# Altium PCB SPEC-A7.PcbDoc (part 7 of 10) (continued)
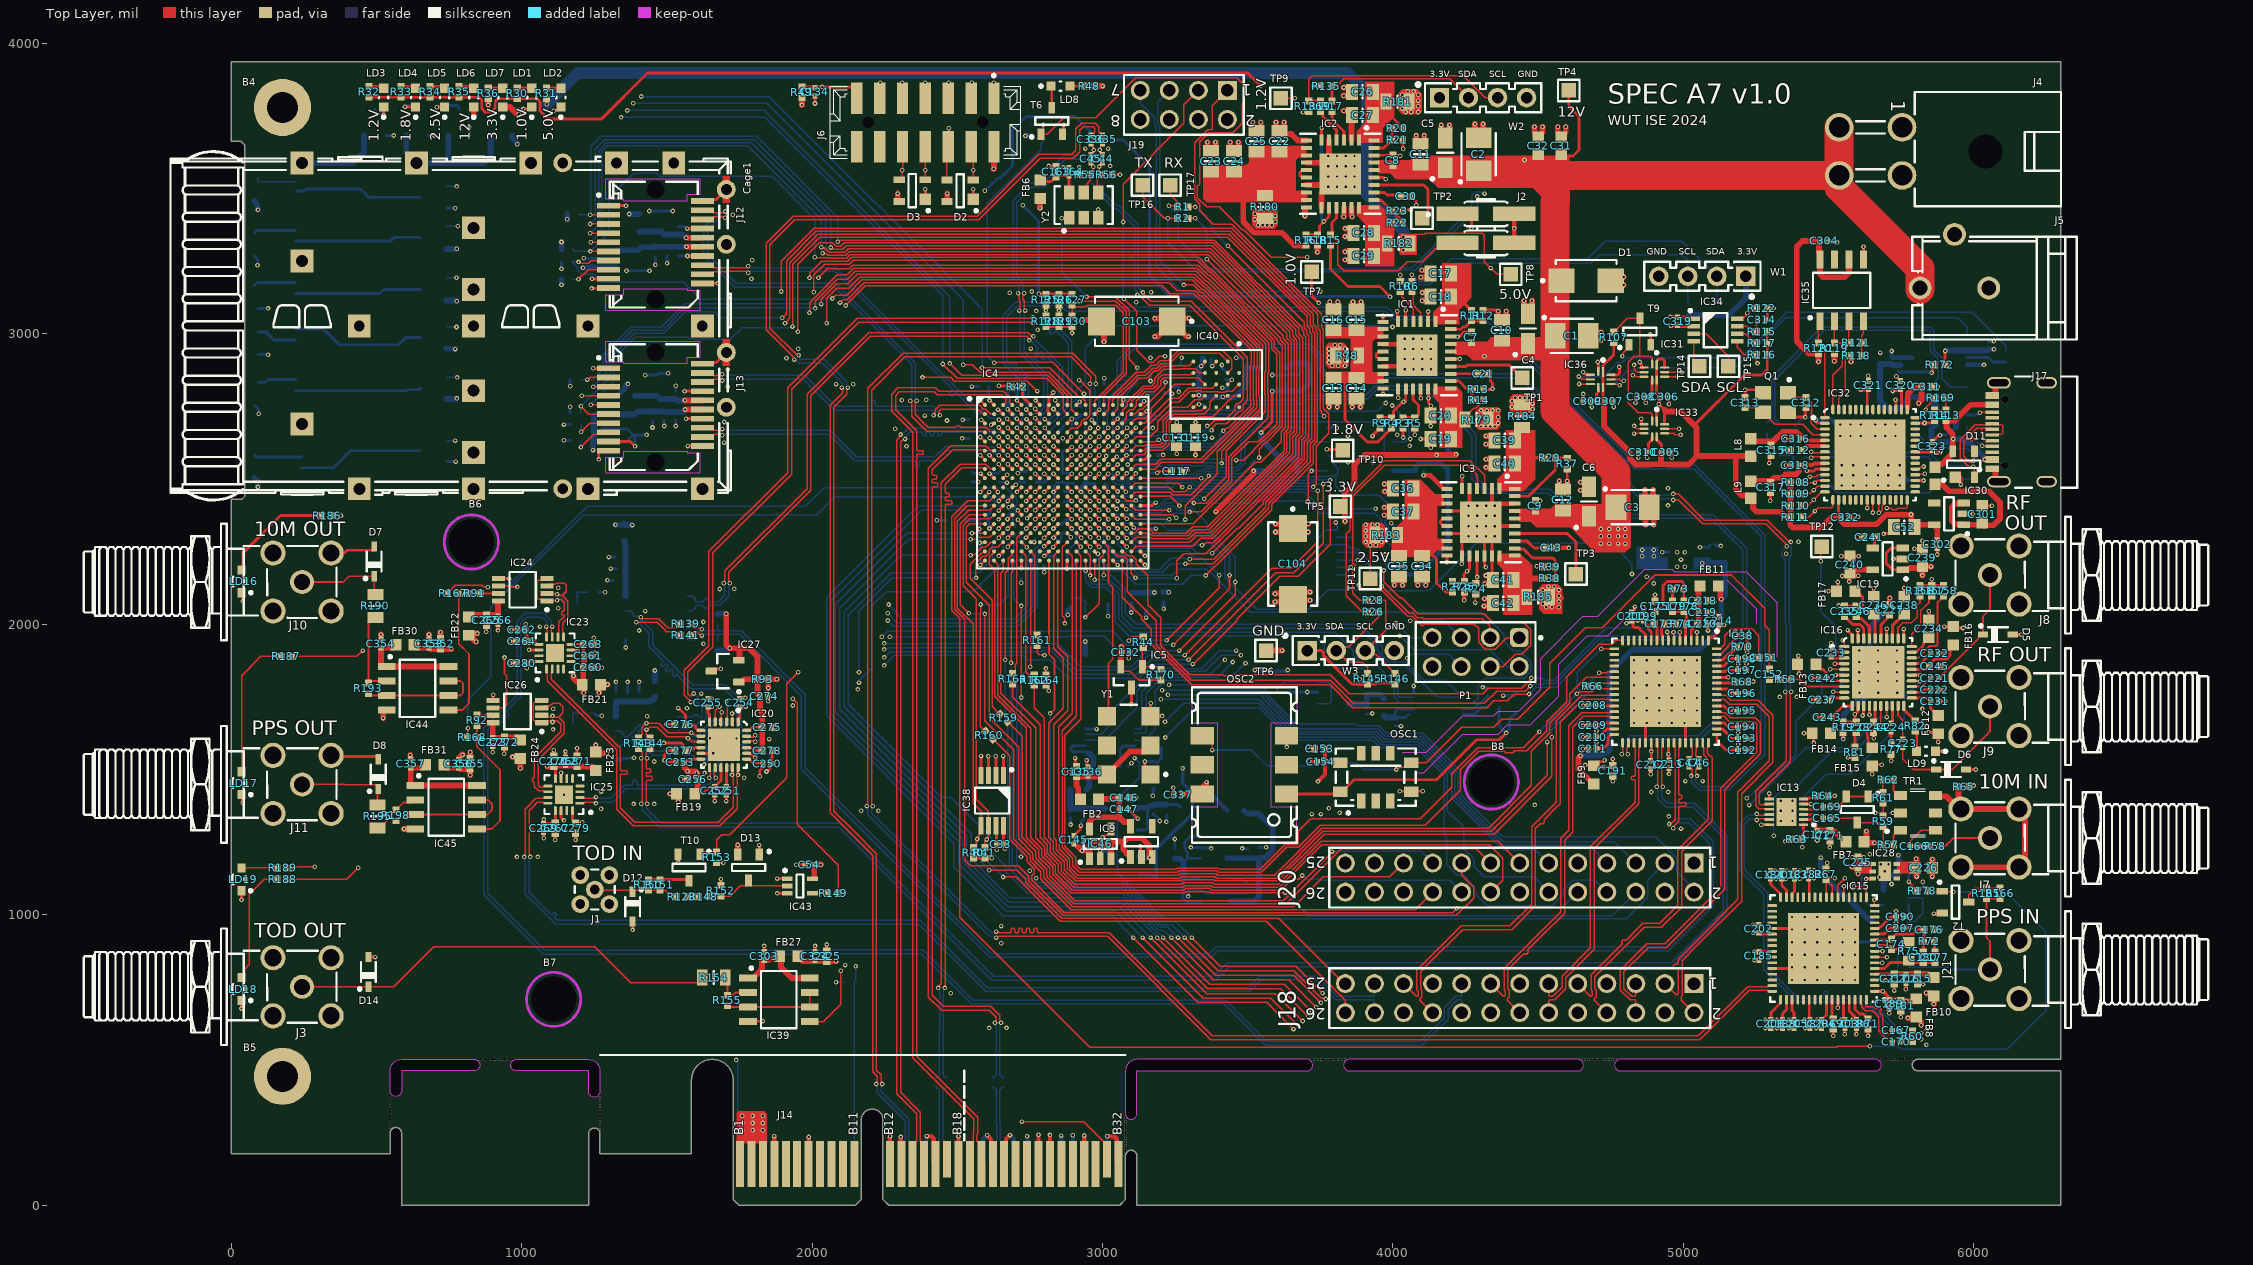
[diagram p0: Top Layer view]
## Nets (pads, with @x,y where several pads share a name; then routed paths per layer and width w, separated by ;. In a path a pad name is that pad's centre, name@x,y a point inside that pad or via, vN(x,y) a via of type N, cw(c..) or ccw(c..) an arc to the next point about the centre after c; other vN are vias at no path point) (continued)
  Bottom Layer w5: v1(5472.44,2216.54) 5472.44,2043.31 5523.95,1991.8 5523.95,1928.81 5547.24,1905.51 5547.24,1799.21 v1(5515.75,1767.72)
NetIC16_20: IC16.20 R82.2 | length 70.6
  Top Layer w10: IC16.20@5758.58,1718.86 5758.58,1707.05 R82.2@5800.18,1665.45
NetIC16_28: IC16.28 R158.1 | length 285.7
  Top Layer w6: IC16.28@5786.14,1884.21 5786.28,1884.35 5809.35,1884.35 5819.72,1894.72 5819.72,1895.28 5828.89,1904.45 5828.89,1907.69 5846.21,1925 5871.49,1925 5875,1928.51 5875,2076.5 R158.1@5895,2096.5
NetIC16_30: IC16.30 R157.1 | length 201.9
  Top Layer w6: IC16.30@5786.14,1923.58 5786.14,1966.14 5817.31,1997.31 5817.31,2047.31 5845.8,2075.8 5845.8,2088.08 5854.21,2096.5 R157.1@5855,2096.5
NetIC16_32: IC16.32 R156.1 | length 194.3
  Top Layer w6: IC16.32@5738.9,1951.14 5738.9,1988.9 5755,2005 5785,2005 5805,2025 5805,2065.56 5814.44,2075 5814.44,2096.27 R156.1@5814.21,2096.5
NetIC24_7: IC24.7 R91.1 | length 61.6
  Top Layer w6: R91.1@858.46,2105.39 859.17,2106.1 IC24.7@919.8,2106.1
NetIC26_7: IC26.7 R92.1 | length 58.1
  Top Layer w6: R92.1@845.59,1691.06 849.88,1686.77 IC26.7@901.93,1686.77
NetIC29_1: IC29.1 R173.2 | length 403.1
  Bottom Layer w5: R173.2@5616.93,3055.12 5944.88,3055.12 5976.38,3023.62 IC29.1@5976.38,2993.01
NetIC29_4: IC29.4 R171.1 | length 140.2
  Bottom Layer w10: IC29.4@5976.38,2918.01 6050.49,2918.01 6065.75,2902.76 R171.1@6110.24,2902.76
NetIC29_8: IC29.8 R175.2 | length 1070.7
  Bottom Layer w5: R175.2@5287.4,2695.67 5288.19,2695.67 5297.11,2704.59 5297.11,2705.37 5303.15,2711.42 5303.15,2850.39 5474.57,3021.81 5851.61,3021.81 5862.2,3011.21 5862.2,2944.88 5889.76,2917.32 5889.76,2846.46 5918.21,2818.01 IC29.8@5976.38,2818.01
NetIC29_9: IC29.9 R200.2 | length 1036.3
  Bottom Layer w5: R200.2@5326.77,2694.49 5325.98,2694.49 5317.07,2703.41 5317.07,2704.19 5314.96,2706.3 5314.96,2842.52 5484.25,3011.81 5847.46,3011.81 5850.39,3008.88 5850.39,2942.55 5877.95,2914.99 5877.95,2846.46 5849.51,2818.01 IC29.9@5787.4,2818.01
NetIC29_11: IC29.11 R172.2 | length 148.5
  Top Layer w10: v3(5854.33,2866.14) 5854.33,2867.7 5856.97,2870.33 5856.97,2887.28 R172.2@5863.39,2893.7
  Bottom Layer w10: 5739.69,2872.2 5743.19,2868.7 5786.72,2868.7 IC29.11@5787.4,2868.01 5850.91,2868.01 5852.78,2866.14 v3(5854.33,2866.14)
NetIC31_2: IC31.2 IC33.2 R107.1 T9.3 | length 613.7
  Top Layer w5: R107.1@4760,3006.48 4760.79,3006.48 4769.7,3015.4 4769.7,3016.19 4806.77,3053.25 T9.3@4850,3053.25 4850,2922.98 ; IC33.2@4892.13,2700.54 4892.13,2720.85 4885,2727.98 4845,2727.98 4810,2762.98 4810,2902.98 4830,2922.98 4850,2922.98 ; IC31.2@4892.13,2895.54 4892.13,2915.85 4885,2922.98 4850,2922.98
NetIC32_1: IC32.1 IC35.1 R120.1 | length 340.2
  Top Layer w5: R120.1@5464.8,2968.21 5464.8,2980.08 ; IC35.1@5469.8,3024.6 5464.8,3019.6 5464.8,2980.08 ; IC32.1@5487.06,2711.65 5487.06,2957.82 5481.58,2963.3 5474.51,2963.3 5471.13,2966.68 5471.13,2973.75 5464.8,2980.08
NetIC32_6: IC32.6 R112.2 | length 88.6
  Top Layer w14: R112.2@5405.57,2598.54 5405.57,2599.33 5409.98,2603.75 5414.77,2603.75 5424.97,2613.95 5464.03,2613.95 5464.75,2613.23 IC32.6@5487.06,2613.23
NetIC32_22: IC32.22 IC34.6 R117.1 | length 930
  Top Layer w5: IC34.6@5184.8,3000.18 5212.8,3000.18 v1(5236.13,2976.84) ; v1(5651.68,2384.73) 5652.42,2385.47 IC32.22@5652.42,2428.19
  L4 w5: v1(5236.13,2976.84) 5225,2965.71 5225,2857.98 5235,2847.98 5235,2712.98 5325.37,2622.6 5361.96,2622.6 5426.61,2557.95 5434.8,2557.95 5608.03,2384.73 v1(5651.68,2384.73)
NetIC32_23: IC32.23 IC32.24 IC34.5 R116.1 | length 971.9
  Top Layer w5: IC34.5@5184.8,2974.59 5184.8,2953.17 5210,2927.98 R116.1@5251.5,2927.98 5251.5,2904.39 5255,2900.89 v1(5255,2897.98) ; IC32.23@5672.1,2428.19 5672.1,2386.39 5672.1,2384.77 5672.53,2384.34 5674.59,2386.39 5677.93,2386.39 5684.71,2393.18 5684.71,2408.45 5691.79,2415.52 IC32.24@5691.79,2428.19
  L4 w5: v1(5255,2897.98) 5255,2727.98 5325,2657.98 5390,2657.98 5436.26,2611.72 5444.1,2611.72 5480.36,2575.46 5480.36,2555.87 5542.88,2493.35 5551.37,2493.35 5569.63,2475.09 5569.63,2471.61 5606.53,2434.7 5623.56,2434.7 5672.42,2385.84 v1(5672.42,2384.45)
NetIC32_28: IC32.28 IC34.8 R122.2 | length 1095.2
  Top Layer w5: IC34.8@5184.8,3051.36 5190.18,3056.74 5208.76,3056.74 5235.51,3083.49 5247,3083.49 R122.2@5251.5,3087.98 ; v1(5700.31,2400.08) 5715.69,2400.06 5721.05,2394.7 5733.5,2394.7 5737.58,2398.78 5765.81,2398.78 5770.53,2403.5 IC32.28@5770.53,2428.19
  L4 w5: v1(5219.91,3070.71) 5222.27,3070.71 5280,3012.98 5280,2752.98 5365,2667.98 5394.14,2667.98 5414.14,2647.98 5422.94,2647.98 5538.32,2532.6 5547.12,2532.6 5567.13,2512.59 5567.13,2509.11 5582.88,2493.35 5591.37,2493.35 5622.12,2462.6 5637.79,2462.6 v1(5700.31,2400.08)
NetIC32_32: IC32.32 IC36.9 | length 1623.8
  Top Layer w5: IC36.9@4750.43,2842.98 4780,2842.98 4783.94,2839.04 4793.57,2839.04 v1(4794.63,2837.98) ; IC32.32@5798.08,2514.8 5799.39,2516.11 5828.9,2516.11 v1(5830.71,2517.91)
  L4 w5: v1(4794.63,2837.98) 4809.63,2822.98 4855,2822.98 4960,2927.98 5015,2927.98 5177.57,3090.55 5247.43,3090.55 5320,3017.98 5320,2762.98 5425,2657.98 5460,2657.98 5560.37,2557.6 5560.37,2550.86 5582.55,2528.68 5751.04,2528.68 5752.12,2527.6 5818.66,2527.6 5828.35,2517.91 v1(5830.71,2517.91)
NetIC32_33: IC32.33 IC36.8 | length 1640.1
  Top Layer w5: IC36.8@4750.43,2827.23 4772.84,2827.23 4777.09,2822.98 v1(4780,2822.98) ; IC32.33@5798.08,2534.49 5810.75,2534.49 5817.52,2541.25 5824.72,2541.25 v1(5826.77,2543.31)
  L4 w5: v1(4780,2822.98) 4779.25,2823.73 4779.25,2848.11 4785.66,2854.52 4803.46,2854.52 4815.75,2842.23 4840.99,2842.23 4925.37,2926.61 4925.37,2928.35 4950,2952.98 5010,2952.98 5163.32,3106.3 5256.68,3106.3 5345,3017.98 5345,2766.24 5433.26,2677.98 5475,2677.98 5541.47,2611.51 5766.47,2611.51 5795.59,2582.38 5795.59,2574.49 v1(5826.77,2543.31)
NetIC32_55: IC32.55 IC35.3 R121.2 | length 324.3
  Top Layer w5: IC32.55@5534.31,2739.21 5534.31,2782.28 5557.16,2805.14 5557.16,2949.79 5576.3,2968.92 R121.2@5576.3,2969.71 5569.8,2976.21 IC35.3@5569.8,3043.41
NetIC32_56: IC32.56 IC35.2 R119.1 | length 320.7
  Top Layer w5: IC32.56@5514.62,2739.21 5514.62,2857.14 5547.16,2889.68 5547.16,2953.93 5547.8,2954.57 5547.8,2959.49 5539.08,2968.21 R119.1@5519.8,2968.21 IC35.2@5519.8,3023.24
NetIC34_3: IC34.3 TP15.1 | length 186.8
  Top Layer w5: IC34.3@5035.2,3000.18 5077.8,3000.18 5155,2922.98 TP15.1@5155,2887.98
NetIC34_4: IC34.4 TP14.1 | length 94.8
  Top Layer w5: IC34.4@5035.2,2974.59 5035.2,2907.78 TP14.1@5055,2887.98
NetIC35_4: IC35.4 R118.1 R121.1 | length 121.4
  Top Layer w5: R118.1@5613.31,2924.71 R121.1@5613.31,2969.71 5613.31,2993.21 5619.8,2999.71 IC35.4@5619.8,3043.41
NetIC39_2: IC39.2 R154.2 R155.1 | length 150.1
  Top Layer w6: R154.2@1709.47,792.15 R154.2@1700.79,783.46 1708.66,775.59 R155.1@1708.66,723.23 1727.17,723.23 1736.52,732.58 IC39.2@1779.05,732.58
NetIC39_3: IC39.3 IC39.6 IC39.7 R155.2 | length 334.5
  Top Layer w6: R155.2@1708.66,686.22 1712.3,682.58 IC39.3@1779.05,682.58 IC39.6@1991.65,682.58 IC39.7@1991.65,732.58
NetIC42_4: IC42.4 R84.1 | length 73.1
  Bottom Layer w6: R84.1@5622.05,1048.43 5622.83,1048.43 5637.8,1033.46 IC42.4@5688.98,1033.46
NetIC43_4: IC43.4 R149.1 | length 52.4
  Top Layer w5: IC43.4@2001.31,1073.41 2001.9,1074 R149.1@2053.5,1074
NetIC44_2: IC44.2 R190.2 R193.1 | length 294.7
  Top Layer w6: R190.2@488.25,2015.81 480.33,2015.81 472.44,2007.92 R193.1@472.44,1798.03 478.94,1804.53 IC44.2@535.43,1804.53
NetIC44_3: IC44.3 IC44.6 IC44.7 R193.2 | length 423.1
  Top Layer w6: R193.2@472.44,1761.02 478.94,1754.53 IC44.3@535.43,1754.53 IC44.6@748.03,1754.53 787.99,1754.53 798.02,1764.56 798.02,1796.47 789.96,1804.53 IC44.7@748.03,1804.53 ; R193.2@472.44,1768.75 R193.2@476.3,1764.89
NetIC44_5: IC44.5 R91.2 R167.2 | length 510
  Top Layer w6: IC44.5@748.03,1704.53 795.08,1704.53 818.9,1728.35 818.9,1897.64 783.46,1933.07 783.46,2106.3 R91.2@820.08,2106.3
NetIC45_2: IC45.2 R195.2 R198.1 | length 174.6
  Top Layer w6: R195.2@503.94,1299.21 512.8,1299.21 543.11,1329.53 543.11,1337.99 566.14,1361.02 R198.1@566.93,1361.02 567.72,1361.02 592.96,1386.27 625.05,1386.27 IC45.2@633.86,1395.08
NetIC45_3: IC45.3 IC45.6 IC45.7 R198.2 | length 424.4
  Top Layer w6: R198.2@566.93,1324.02 575.35,1332.43 592.28,1332.43 596.11,1336.27 625.05,1336.27 IC45.3@633.86,1345.08 883.22,1345.08 897.64,1359.5 897.64,1381.89 884.45,1395.08 IC45.7@846.46,1395.08
NetIC45_5: IC45.5 R92.2 R168.2 | length 450.8
  Top Layer w6: IC45.5@846.46,1295.08 897.44,1295.08 925.2,1322.83 925.2,1500 846.46,1578.74 R92.2@846.46,1650.79
NetJ7_1: J7.1 R58.1 | length 203
  Top Layer w6: R58.1@5884.65,1236.22 5901.57,1236.22 5929.13,1263.78 J7.1@6055.12,1263.78 J7.1@6076.26,1263.78
NetJ7_2: J7.2 R65.2 TR1.4 | length 798.1
  Top Layer w20: TR1.4@5867.13,1410.24 5869.7,1407.66 5904.38,1407.66 J7.2@5935.52,1376.53 ; R65.2@5946.06,1440.94 5947.48,1439.53 5947.48,1371.42 J7.2@5955.12,1363.78 ; J7.2@5960.63,1153.54 5970.87,1163.78 6176.26,1163.78 6176.26,1363.78 5976.26,1363.78 J7.2@5965.69,1374.35
NetJ14_a1: J14.A1 J14.B31 | length 1796.2
  Top Layer w5: v1(2721.35,287.98) 2934.54,287.98 3015.75,206.77 J14.B31@3015.75,157.55
  L3 w5: v1(1738.39,500) 2509.33,500 v1(2721.35,287.98)
  Bottom Layer w5: v1(1738.39,500) 1738.39,497.09 1743.76,491.72 1743.76,253.22 1744.09,252.88 1744.09,252.14 1751.97,244.26 J14.A1@1751.97,157.48
NetJ17_A5: J17.A5 R105.1 | length 127
  Top Layer w5: v1(6029.08,2614.63) 6030.29,2613.42 6062.17,2613.42 J17.A5@6063.39,2612.2
  Bottom Layer w5: R105.1@5975.2,2681.1 5975.2,2663.62 6014,2624.82 6017.53,2624.82 6027.73,2614.63 v1(6029.08,2614.63)
NetJ17_B5: J17.B5 R106.1 | length 92.3
  Top Layer w5: v1(6019.69,2728.35) 6020.67,2729.33 6062.4,2729.33 J17.B5@6063.39,2730.31
  Bottom Layer w10: R106.1@5975.2,2720.47 6010.26,2720.47 6018.13,2728.35 v1(6019.69,2728.35)
NetLD1_1: LD1.1 T1.3 | length 110.4
  Top Layer w10: v1(1006.17,3774.15) 1026.31,3774.15 1027.48,3772.98 LD1.1@1035,3780.5
  Bottom Layer w10: T1.3@930,3773.25 932.6,3775.85 1002.92,3775.85 1004.62,3774.15 v1(1006.17,3774.15)
NetLD1_2: LD1.2 R30.1 | length 50.4
  Top Layer w10: R30.1@985,3846.48 1033.98,3846.48 LD1.2@1035,3845.46
NetLD2_2: LD2.2 R31.1 | length 50.4
  Top Layer w10: R31.1@1085,3846.48 1133.98,3846.48 LD2.2@1135,3845.46
NetLD3_1: LD3.1 T3.3 | length 70.5
  Top Layer w10: v1(525,3752.98) LD3.1@525,3780.5
  Bottom Layer w10: T3.3@495,3773.25 495,3765.38 501.81,3758.57 509.69,3758.57 514.18,3754.08 523.9,3754.08 v1(525,3752.98)
NetLD3_2: LD3.2 R32.1 | length 52.5
  Top Layer w10: R32.1@475,3851.48 518.98,3851.48 LD3.2@525,3845.46
NetLD4_1: LD4.1 T4.3 | length 88.2
  Top Layer w10: v1@598.53,3780.5 LD4.1@635,3780.5 ; v1@598.53,3781.15 v1(598.53,3781.51)
  Bottom Layer w10: v1(598.53,3781.51) 602.52,3785.5 633.19,3785.5 640,3778.69 T4.3@640,3773.25
NetLD4_2: LD4.2 R33.1 | length 52.5
  Top Layer w10: R33.1@585,3851.48 628.98,3851.48 LD4.2@635,3845.46
NetLD5_1: LD5.1 T5.3 | length 103.3
  Top Layer w10: v1(707.48,3780.5) LD5.1@735,3780.5
  Bottom Layer w10: 717.48,3785.5 778.19,3785.5 785,3778.69 T5.3@785,3773.25
NetLD5_2: LD5.2 R34.1 | length 52.5
  Top Layer w10: R34.1@685,3851.48 728.98,3851.48 LD5.2@735,3845.46
NetLD6_2: LD6.2 R35.1 | length 52.5
  Top Layer w10: R35.1@785,3851.48 828.98,3851.48 LD6.2@835,3845.46
NetLD7_2: LD7.2 R36.1 | length 50.4
  Top Layer w10: R36.1@885,3846.48 933.98,3846.48 LD7.2@935,3845.46
NetLD8_1: LD8.1 T6.3 | length 75.8
  Top Layer w10: LD8.1@2822.52,3852.98 2825,3850.5 T6.3@2825,3778.25
NetLD8_2: LD8.2 R48.1 | length 49
  Top Layer w10: LD8.2@2887.48,3852.98 R48.1@2936.5,3852.98
NetLD9_2: LD9.2 R82.1 | length 69
  Top Layer w10: LD9.2@5802.47,1562.64 5803.13,1563.3 R82.1@5803.13,1631.39
NetLD10_1: LD10.1 R97.2 | length 145.1
  Bottom Layer w5: LD10.1@92.01,3536.93 92.01,3526.61 94.94,3523.68 221.71,3523.68 R97.2@224.41,3526.38
NetLD11_1: LD11.1 R99.2 | length 164
  Bottom Layer w10: LD11.1@80.2,2581.93 86.06,2576.06 R99.2@241.81,2576.06
NetLD12_1: LD12.1 R131.2 | length 145.9
  Bottom Layer w10: LD12.1@80.02,3346.75 80.02,3347.11 88.98,3356.06 R131.2@221.81,3356.06
NetLD13_1: LD13.1 R132.2 | length 145.6
  Bottom Layer w10: LD13.1@80.2,3166.93 80.2,3167.28 88.98,3176.06 R132.2@221.81,3176.06
NetLD14_1: LD14.1 R133.2 | length 140.6
  Bottom Layer w10: LD14.1@92.01,3006.93 118.95,3006.93 146.82,2979.06 R133.2@221.02,2979.06
NetLD15_1: LD15.1 R134.2 | length 133.6
  Bottom Layer w10: LD15.1@93.23,2831.93 116.38,2831.93 127.01,2842.56 220.31,2842.56 R134.2@221.81,2841.06
NetLD16_2: LD16.2 R186.1 | length 383.1
  Top Layer w10: LD16.2@40,2187.37 40,2244.72 169.29,2374.02 R186.1@312.2,2374.02
NetLD17_2: LD17.2 R187.1 | length 494.4
  Top Layer w5: LD17.2@36.06,1492.13 36.06,1823.46 102.36,1889.76 R187.1@171.65,1889.76
NetLD18_2: LD18.2 R188.1 | length 415.7
  Top Layer w5: LD18.2@35.43,783.46 46.71,794.74 46.71,812.37 62.99,828.65 62.99,1070.87 114.17,1122.05 R188.1@158.66,1122.05
NetLD19_2: LD19.2 R189.1 | length 123.2
  Top Layer w5: LD19.2@35.43,1161.42 R189.1@158.66,1161.42
NetR57_1: R57.1 TR1.1 | length 64.6
  Top Layer w6: R57.1@5723.23,1240.16 5723.23,1274.21 5739.57,1290.55 TR1.1@5747.05,1290.55
NetR59_1: R59.1 R61.2 | length 43
  Top Layer w6: R59.1@5687.56,1340.64 R61.2@5687.56,1383.64
NetR62_1: R62.1 TR1.3 | length 68.6
  Top Layer w6: R62.1@5723.23,1464.57 5723.23,1426.57 5739.57,1410.24 TR1.3@5747.05,1410.24
NetR80_2: R80.2 R83.1 | length 43.3
  Bottom Layer w6: R80.2@5737.4,818.9 R83.1@5737.4,862.2
NetR97_1: R97.1 T7.3 | length 442.2
  Bottom Layer w10: R97.1@224.41,3489.37 227.17,3492.13 251.97,3492.13 258.9,3499.06 444.68,3499.06 473.58,3470.16 T7.3@650.63,3470.16
NetR99_1: R99.1 T8.3 | length 433.3
  Bottom Layer w10: R99.1@241.81,2539.06 352.68,2539.06 411.18,2597.56 T8.3@650.91,2597.56
NetR113_2: R113.2 R114.2 R169.1 | length 82.1
  Top Layer w5: R114.2@5863.82,2737.66 R113.2@5903.82,2737.66 5903.82,2779.02 R169.1@5904.33,2779.53
NetR123_2: R123.2 R148.1 | length 38
  Top Layer w6: R123.2@1569.65,1062.51 R148.1@1607.64,1062.51
NetR131_1: R131.1 T11.3 | length 435.5
  Bottom Layer w10: R131.1@221.81,3319.06 547.68,3319.06 561.18,3332.56 648.03,3332.56 T11.3@650.63,3329.96
NetR132_1: R132.1 T12.3 | length 434.7
  Bottom Layer w10: R132.1@221.81,3139.06 512.68,3139.06 526.18,3152.56 T12.3@650.91,3152.56
NetR133_1: R133.1 T13.3 | length 461.6
  Bottom Layer w10: R133.1@221.81,3016.06 318.58,3016.06 372.09,2962.56 576.18,2962.56 601.18,2987.56 T13.3@650.91,2987.56
NetR134_1: R134.1 T14.3 | length 432.6
  Bottom Layer w10: R134.1@221.81,2804.06 602.68,2804.06 606.18,2807.56 645.91,2807.56 T14.3@650.91,2812.56
NetR150_1: R150.1 R151.1 T10.3 | length 141.6
  Top Layer w10: R150.1@1436.14,1121.01 R151.1@1476.14,1121.01 1572.36,1121.01 T10.3@1576.14,1117.23
NetR165_1: R165.1 R166.1 T2.3 | length 143.5
  Top Layer w6: T2.3@5982.28,1043.31 5982.28,1068.9 6003.94,1090.55 6088.98,1090.55 R166.1@6090.55,1092.13
NetR191_1: R191.1 R192.1 R194.2 | length 77.2
  Bottom Layer w5: R192.1@1191.73,2070.87 R191.1@1191.73,2110.24 R194.2@1229.53,2110.24
NetR196_1: R196.1 R197.1 R199.2 | length 77.2
  Bottom Layer w5: R197.1@1175.98,1653.54 R196.1@1175.98,1692.91 R199.2@1213.78,1692.91
OE_125M: IC4.F14 Y2.1 | length 1046.4
  Top Layer w5: v1(2860,3397.98) 2883.31,3397.98 Y2.1@2885,3399.67 ; v1(2945,3127.98) 3044.35,3127.98 3091.24,3081.09 3091.24,2911.76 v1(3120,2883)
  Top Layer w10: IC4.F14@3004.49,2597.47 3004.74,2597.47 3020.26,2612.98 v1(3020.51,2612.98)
  Bottom Layer w5: v1(2860,3397.98) 2860,3212.98 v1(2945,3127.98) ; v1(3020.51,2612.98) 3035.3,2627.76 3035.3,2732.3 3056.59,2753.59 3056.59,2780.04 3068.89,2792.33 3079.35,2792.33 3120,2832.98 v1(3120,2883)
ONE_WIRE: IC4.U14 IC37.1 R124.1 | length 364.8
  Top Layer w5: v1(2940.94,2023.62) 2988.56,2071.24 2988.56,2223.94 3002.81,2238.18 3002.81,2249.33 IC4.U14@3004.49,2251.01
  Bottom Layer w5: R124.1@2890,2091.48 2919.72,2091.48 2928.18,2083.02 2935.26,2083.02 2941.61,2076.66 IC37.1@2941.61,2069.59 2940.94,2068.92 v1(2940.94,2023.62)
OUT_2_N: IC14.42 IC21.4 R87.1 R141.1 | length 4990.8
  Top Layer w5: R141.1@1583.17,1961.42 1592.09,1970.33 1592.09,1971.99 1595.02,1974.92 1603.9,1974.92 1617.77,1961.04 v1(1620.05,1961.04) ; v1@4958.1,1314.47 4971.22,1327.58 4971.22,1575.37 4967.87,1578.71 IC14.42@4967.87,1591.84
  Bottom Layer w5: IC21.4@1570.97,1946.42 1589.67,1946.42 1598.98,1955.73 1598.98,1961.99 1601.91,1964.92 1613.27,1964.92 1617.14,1961.04 v1(1620.05,1961.04) 1620.66,1961.04 1624.53,1964.92 1670.24,1964.92 1673.17,1961.99 ; R87.1@1674.67,1944.92 1674.67,1961.99 1677.6,1964.92 1751.17,1964.92 1963.38,1752.71 1963.38,1501.19 2611.43,853.14 3372.83,853.14 3380.44,860.76 3396.45,876.76 4947.63,876.76 5102.36,1031.5 5102.36,1251.97 5094.75,1259.58 5032.03,1322.3 5024.41,1329.92 4973.56,1329.92 4958.1,1314.47 4952.62,1314.47 v1(4950.57,1312.41)
OUT_2_P: IC14.43 IC21.3 R86.1 R139.1 | length 4988.3
  Top Layer w5: R139.1@1583.17,2001.42 1592.09,1992.5 1592.09,1990.85 1595.02,1987.92 1609.28,1987.92 1612.29,1984.91 ; v1@4967.3,1305.27 4984.22,1322.19 4984.22,1355 4984.22,1370.37 4987.15,1373.3 5006.78,1373.3 5009.36,1375.88 5009.36,1383.6 5006.78,1386.18 4986.79,1386.18 4984.22,1388.75 4984.22,1396.48 4986.79,1399.05 4991.98,1399.05 4994.56,1401.63 4994.56,1409.35 4991.98,1411.93 4987.15,1411.93 4984.22,1414.85 4984.22,1424 4984.22,1575.37 4987.56,1578.71 IC14.43@4987.56,1591.84
  Bottom Layer w5: IC21.3@1570.97,1996.42 1589.67,1996.42 1598.98,1987.11 1598.98,1980.85 1601.91,1977.92 1612.21,1977.92 1617.14,1982.85 v1(1620.05,1982.85) ; v1@1624.53,1977.92 1670.24,1977.92 1673.17,1980.85 ; R86.1@1674.67,1997.91 1674.67,1980.85 1677.6,1977.92 1756.55,1977.92 1798.86,1935.61 1803.46,1931.01 1976.38,1758.09 1976.38,1506.57 2616.81,866.14 3367.44,866.14 3391.06,889.76 4942.25,889.76 5089.36,1036.88 5089.36,1246.58 5019.03,1316.92 4978.94,1316.92 4967.3,1305.27 4967.3,1299.79 v1(4965.24,1297.74)
OUT_3_N: IC14.39 IC22.4 R90.1 R144.1 | length 5250.3
  Top Layer w5: v1@1428.37,1385.83 1428.37,1445 1428.37,1460.37 1431.3,1463.3 1447.11,1463.3 1449.69,1465.88 1449.69,1473.6 1447.11,1476.18 1430.95,1476.18 1428.37,1478.75 1428.37,1486.48 1430.95,1489.05 1441.78,1489.05 1444.36,1491.63 1444.36,1499.35 1441.78,1501.93 1431.3,1501.93 1428.37,1504.85 1428.37,1532.27 1432.25,1536.15 1432.25,1537.49 v1(1432.25,1539.06) ; v1@1428.37,1545.84 1428.37,1559.89 1431.3,1562.82 1432.64,1562.82 R144.1@1441.56,1571.73 ; IC14.39@4908.82,1591.84 4908.82,1578.71 4912.16,1575.37 4912.16,1521.02 v1@4912.16,1447.07
  Bottom Layer w5: v1@1428.37,1545.84 1428.37,1554.43 1431.3,1557.36 1443.71,1557.36 1451.15,1549.92 1507.14,1549.92 1510.07,1546.99 1510.07,1540.73 1519.38,1531.42 IC22.4@1535.97,1531.42 1552.55,1531.42 1561.86,1540.73 1561.86,1546.99 1564.79,1549.92 1591.04,1549.92 1593.97,1546.99 1593.97,1538.61 R90.1@1601.16,1531.42 ; v1(1432.25,1381.89) 1432.25,1378.98 1428.37,1375.11 1428.37,1366.52 1479.93,1314.96 2097.12,1314.96 2624.68,787.4 3383.19,787.4 3422.82,827.03 3430.43,834.65 4957.99,834.65 5136.61,1013.26 5136.61,1266.27 5032.9,1369.98 4940.95,1369.98 4912.16,1398.77 4912.16,1433.51 4908.29,1437.38 v1(4908.29,1440.29)
OUT_3_P: IC14.40 IC22.3 R89.1 R143.1 | length 5252.8
  Top Layer w5: R143.1@1402.19,1571.73 1411.1,1562.82 1412.44,1562.82 1415.37,1559.89 v1@1415.37,1545.84 ; v1(1411.5,1539.06) 1411.5,1536.15 1415.37,1532.27 v1@1415.37,1385.83 ; v1@4925.16,1447.07 4925.16,1526.41 4925.16,1575.37 4928.5,1578.71 IC14.40@4928.5,1591.84
  Bottom Layer w5: v1(1411.5,1381.89) 1411.5,1378.98 1415.37,1375.11 1415.37,1361.13 1474.54,1301.96 2091.74,1301.96 2619.3,774.4 3388.58,774.4 3435.82,821.65 4963.38,821.65 5149.61,1007.87 5149.61,1271.65 5038.28,1382.98 4946.34,1382.98 4925.16,1404.15 4925.16,1433.51 4929.04,1437.38 v1(4929.04,1440.29) ; v1@1415.37,1545.84 1415.37,1559.81 1425.92,1570.36 1449.09,1570.36 1456.53,1562.92 1507.14,1562.92 1510.07,1565.85 1510.07,1572.11 1519.38,1581.42 IC22.3@1535.97,1581.42 1552.55,1581.42 1561.86,1572.11 1561.86,1565.85 1564.79,1562.92 1591.04,1562.92 1593.97,1565.85 1593.97,1574.22 R89.1@1601.16,1581.42
P1V0: C103.1 C104.1 C107.2 C108.2 C109.2 C110.2 C111.2 C112.2 C120.2 C121.2 C122.2 C123.2 C124.2 C125.2 C126.2 C127.2 C128.2 C129.2 C130.2 C131.2 IC4.F7 IC4.F9 IC4.F11 IC4.G8 IC4.G10 IC4.H7 IC4.H9 IC4.H11 IC4.J8 IC4.J12 IC4.K7 IC4.K11 IC4.L8 IC4.L12 IC4.M7 IC4.M11 IC4.N8 IC4.N10 IC4.N12 IC4.P9 IC4.P11 R78.2 T1.1 TP7.1 | length 3915.4
  Top Layer w10: v1(2768.27,2392.74) IC4.M7@2784.02,2408.49 ; v1(2768.27,2455.73) IC4.K7@2784.02,2471.48 ; v1(2768.27,2550.22) IC4.H7@2784.02,2534.47 ; v1(2768.27,2613.21) IC4.F7@2784.02,2597.47 ; v1(2799.76,2361.25) IC4.N8@2815.51,2376.99 ; v1(2799.76,2424.24) IC4.L8@2815.51,2439.99 ; v1(2799.76,2518.73) IC4.J8@2815.51,2502.98 ; v1(2799.76,2581.72) IC4.G8@2815.51,2565.97 ; v1(2831.26,2329.75) IC4.P9@2847.01,2345.5 ; v1(2831.26,2550.22) IC4.H9@2847.01,2534.47 ; v1(2831.26,2613.21) IC4.F9@2847.01,2597.47 ; IC4.N10@2878.5,2376.99 v1(2894.25,2361.25) ; IC4.G10@2878.5,2565.97 v1(2894.25,2581.72) ; IC4.P11@2910,2345.5 v1(2925.75,2329.75) ; IC4.M11@2910,2408.49 v1(2925.75,2392.74) ; IC4.K11@2910,2471.48 v1(2925.75,2455.73) ; IC4.H11@2910,2534.47 v1(2925.75,2550.22) ; IC4.F11@2910,2597.47 v1(2925.75,2613.21) ; IC4.N12@2941.5,2376.99 v1(2957.24,2361.25) ; IC4.L12@2941.5,2439.99 v1(2957.24,2424.24) ; IC4.J12@2941.5,2502.98 v1(2957.24,2518.73) ; v1(3255,2586.63) C131.2@3255,2611.48 ; TP7.1@3740,3192.98 TP7.1@3720,3212.98 3720,3130.39 v1(3744.09,3106.3)
  Top Layer w20: v1(3180,3052.98) 3230.07,3052.98 C103.1@3246.06,3036.99 ; v1(3180.09,2990.9) 3189.92,2990.9 3240.05,3041.03 C103.1@3240.05,3043 ; v1(3296.3,2990.82) 3290.26,2990.82 3246.06,3035.02 C103.1@3246.06,3036.99 ; v1(3297.35,3053.49) 3262.56,3053.49 C103.1@3246.06,3036.99 ; v1(3595.39,2317.74) 3616.77,2317.74 3624.95,2325.93 C104.1@3624.95,2332.74 ; v1(3595.39,2345.58) 3616.77,2345.58 3624.95,2337.4 C104.1@3624.95,2334.91 ; C104.1@3678.79,2328.46 3689.46,2317.79 v1(3708.36,2317.79) ; C104.1@3678.79,2330.62 3678.79,2334.95 3689.46,2345.62 v1(3708.36,2345.62)
  L4 w10: v1(985,3652.98) 1882.46,3652.98 2190,3345.43 2190,2852.98 2492.5,2550.48 2610,2550.48 2627.5,2532.98 2666.27,2532.98 2666.38,2532.87 2679.24,2532.87 2689.71,2522.4 2689.71,2512.58 2702.54,2499.75 2706.63,2499.75 2719.46,2486.92 2737.08,2486.92 v1(2768.27,2455.73)
  Bottom Layer w10: v1(2831.26,2329.75) 2832.82,2329.75 2847.31,2344.25 2857.85,2344.25 C108.2@2865.05,2351.45 2872.26,2358.66 2890.11,2358.66 2892.7,2361.25 v1(2894.25,2361.25) ; v1(2957.24,2424.24) 2957.24,2425.31 2926.82,2455.73 v1(2925.75,2455.73) 2925.75,2457.29 2927.76,2459.3 2927.76,2478.21 C109.2@2934.97,2485.41 ; v1(2957.24,2518.73) 2954.42,2515.9 2954.42,2504.87 C109.2@2934.97,2485.41 ; C110.2@2973.48,2485 2973.28,2485.21 2935.17,2485.21 C109.2@2934.97,2485.41
  Bottom Layer w20: T1.1@967.4,3682.7 967.4,3674.83 985,3657.23 v1(985,3652.98)
  other v1: 3791.34,2889.76 3811.02,2889.76 3834.65,2889.76 3779.53,2901.57 3834.65,2909.45 3779.53,2917.32 3834.65,2929.13 3779.53,2933.07 3779.53,2948.82 3834.65,2948.82 3799.21,2960.63 3818.9,2960.63
P1V8: C113.2 C114.2 C115.2 C116.2 C117.2 C118.2 C119.2 IC4.E11 IC4.G12 IC4.H13 IC4.K13 IC4.M13 IC4.P13 L2.2 R15.2 R179.2 T4.1 TP10.1 | length 5728
  Top Layer w10: IC4.E11@2910,2628.96 2910,2629.47 2924.75,2644.22 v1(2924.75,2644.73) ; IC4.G12@2941.5,2565.97 v1(2957.24,2581.72) ; IC4.P13@2972.99,2345.5 2972.99,2345.3 2988.34,2329.95 v1(2988.34,2329.75) ; IC4.M13@2972.99,2408.49 v1(2988.74,2392.74) ; IC4.K13@2972.99,2471.48 v1(2988.74,2455.73) ; IC4.H13@2972.99,2534.47 v1(2988.74,2550.22) ; v1(3188.82,2521.8) 3190.38,2521.8 3195.57,2526.99 C117.2@3237.28,2526.99 ; v1(3320,2582.87) C119.2@3320,2611.48 ; v1(3771.65,2602.36) 3822.83,2602.36 TP10.1@3826.77,2598.43 ; R15.2@3785,3304.47 3785,3222.98 3845,3162.98 3955,3162.98 v1(3990,3127.98)
  L3 w10: v1(2862.76,2640.9) 2864.31,2640.9 2877.64,2627.58 2904.6,2627.58 2910,2632.98
  L4 w10: v1(699.72,3682.7) 733,3682.7 743.28,3692.98 1921.2,3692.98 2190.32,3423.85 2563.27,3423.85 2594.49,3455.07 v1(2594.49,3492.13) ; v1(3990,3127.98) 4025,3127.98 4135,3017.98 4290,3017.98 4338.61,2969.37 4338.61,2907.07 4175,2743.46 4175,2682.87 4106.3,2614.17 v1(4057.18,2614.17)
  Bottom Layer w10: T4.1@677.4,3682.7 v1(699.72,3682.7) ; v1(2594.49,3492.13) 2637.96,3535.6 2647.62,3535.6 2690,3577.98 2690,3701.81 2736.22,3748.03 2905.51,3748.03 2985.57,3667.98 3070,3667.98 3161.42,3576.56 3161.42,3201.56 3235,3127.98 v1(3990,3127.98) ; v1(2862.76,2640.9) 2862.76,2633.15 L2.2@2863.57,2632.33 ; C118.2@3167.84,2521.8 v1(3188.82,2521.8)
  other v1: 4303.15,2681.1 4318.9,2681.1 4334.65,2681.1 4350.39,2681.1 4362.2,2692.91 4291.34,2700.79 4362.2,2712.6 4291.34,2720.47 4303.15,2736.22 4322.83,2736.22 4342.52,2736.22 4362.2,2736.22
P1V8_USB: C297.2 C298.2 C311.2 IC32.2 IC32.31 IC32.43 | length 965
  Top Layer w10: v1(5455.37,2702.98) 5456.47,2701.88 5456.47,2696.73 5461.23,2691.97 IC32.2@5487.06,2691.97 ; IC32.31@5798.08,2495.12 IC32.31@5798.08,2495.12 5826.73,2495.08 v1(5826.77,2495.04)
  Top Layer w20: IC32.43@5771.94,2745.95 5771.94,2793.7 5794.57,2816.34 5819.4,2816.34 5819.4,2772.37 5810,2762.98 v1(5810,2760.59)
  L4 w20: v1(5455.37,2702.98) 5471.07,2718.68 5810,2718.68 ; v1(5810,2760.59) 5810,2718.68 ; v1(5826.77,2495.04) 5849.41,2495.04 5862.87,2508.5 5862.87,2577.6 5807.13,2633.35 5807.13,2702.45 5810,2705.33 5810,2718.68
  Bottom Layer w15: v1(5455.37,2702.98) 5455.58,2702.98 5455.96,2703.37 5480.93,2703.37 C298.2@5482.28,2704.72 ; C297.2@5801.18,2496.06 5802.06,2495.18 5826.63,2495.18 v1(5826.77,2495.04)